# Altium PCB adc_brd_raton_v0.PcbDoc (part 2 of 5)
Units mm, origin at the board's own origin, x right, y up, seen from the top; angles counter-clockwise.
Board outline 276.61 x 128.4 mm, 2 copper layers (Top Layer, Bottom Layer); 535 components, 265 nets, 1345 pads, 548 vias.
Unrouted connection lines stored in the file: 67.
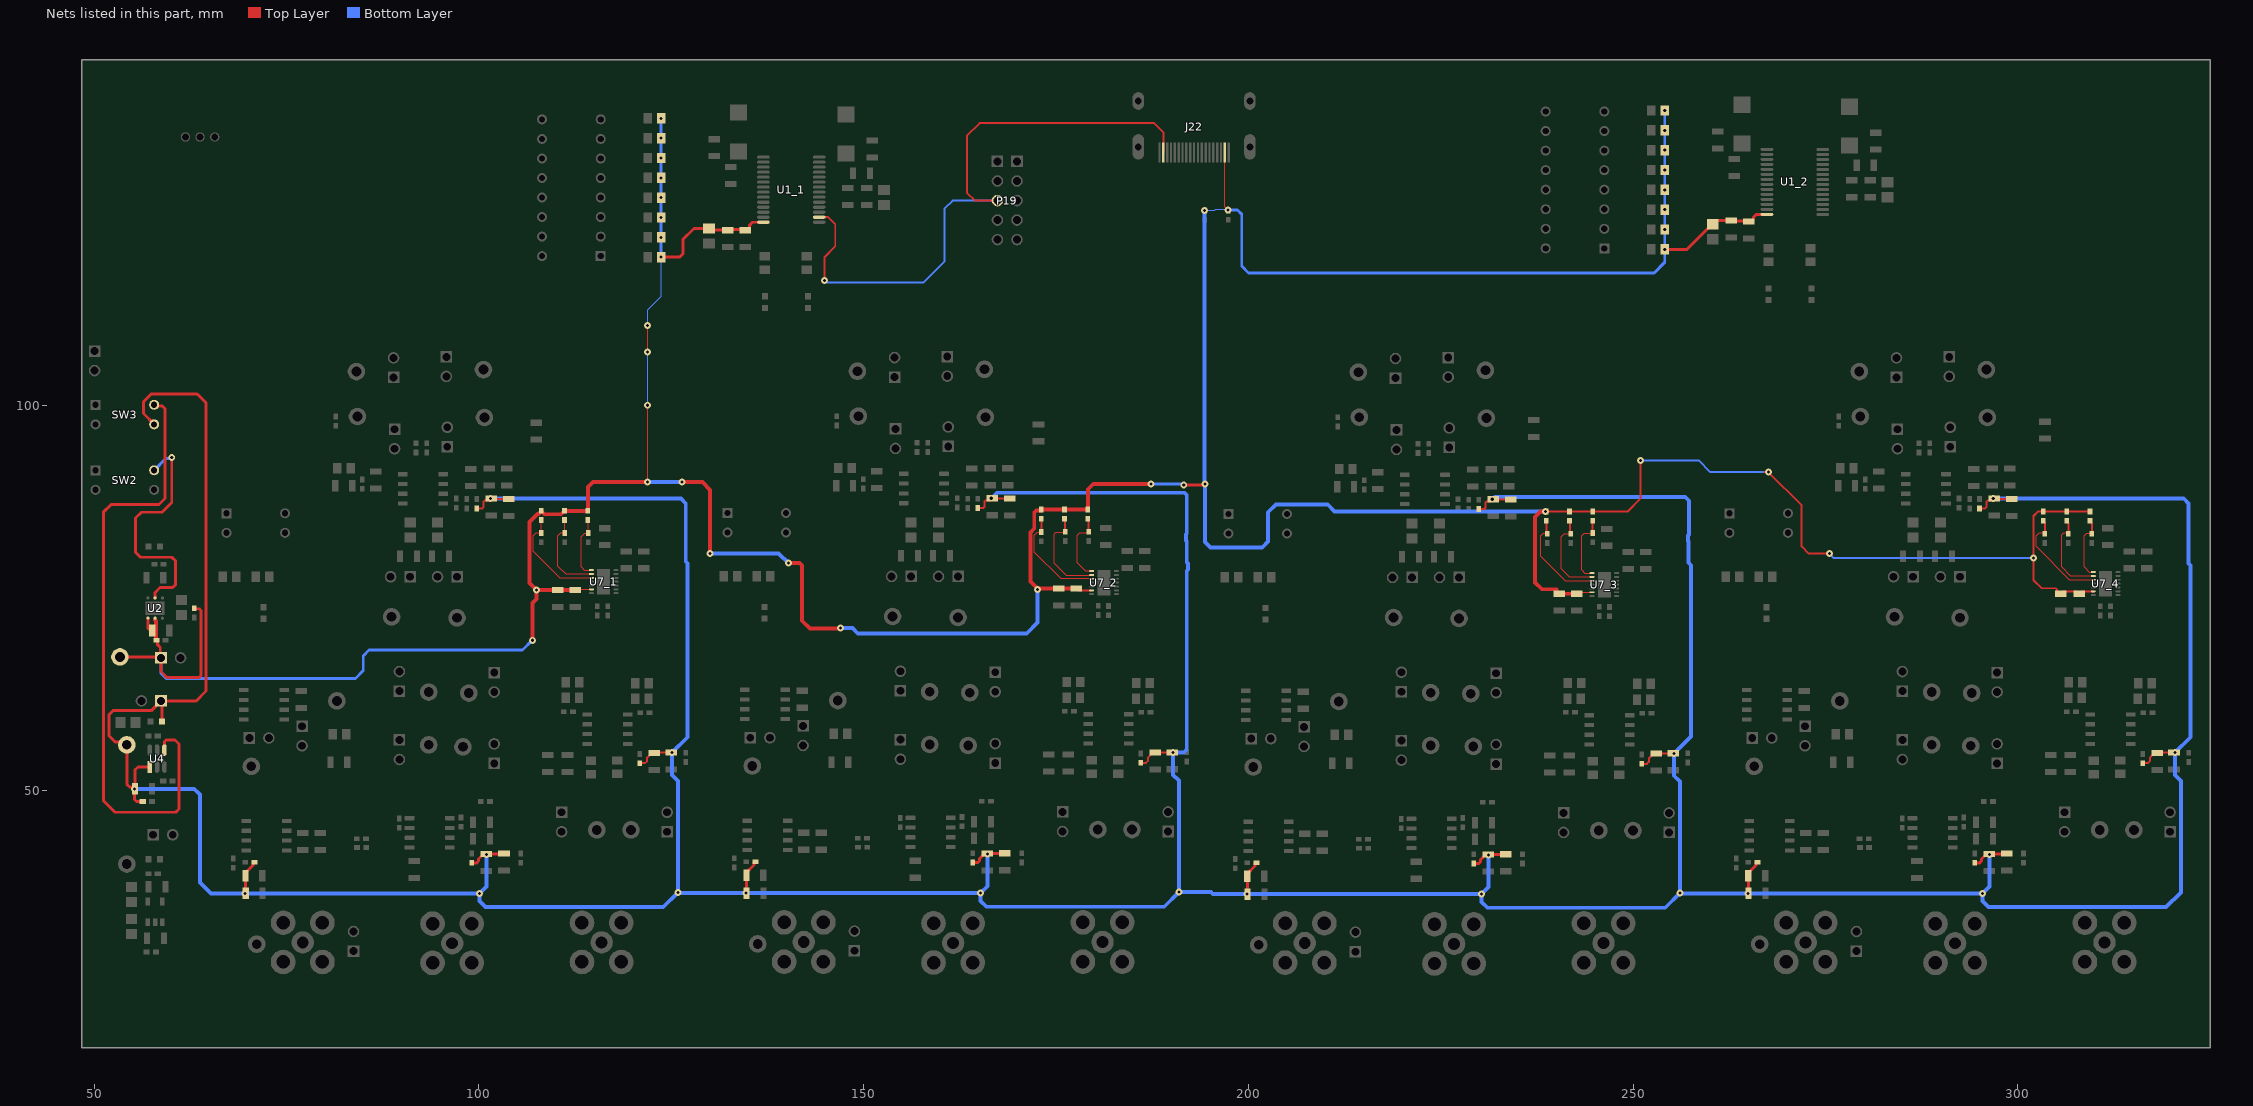
[diagram p2: the nets of this part, all layers, seen from the top]

## Components (designator, comment, footprint, x,y, rotation, side; value= is the part's Value field where it differs from the comment) (continued)
R37_1 "RES 7.5k 0402 63mW 5%" 0402-M#2 97.028,87.284 r270 top value=7.5k (schematic designator R37)
R37_2 "RES 7.5k 0402 63mW 5%" 0402-M#2 162.137,87.327 r270 top value=7.5k (schematic designator R37)
R37_3 "RES 7.5k 0402 63mW 5%" 0402-M#2 227.245,87.2 r270 top value=7.5k (schematic designator R37)
R37_4 "RES 7.5k 0402 63mW 5%" 0402-M#2 292.354,87.284 r270 top value=7.5k (schematic designator R37)
R45 "RES 10k 0402 63mW 5%" 0402-M#2 303.299,85.598 r90 top value=10k
R46 "RES 10k 0402 63mW 5%" 0402-M#2 306.336,85.598 r90 top value=10k
R47 "RES 10k 0402 63mW 5%" 0402-M#2 309.372,85.598 r90 top value=10k
R48 "RES 10k 0402 63mW 5%" 0402-M#2 303.507,82.712 r90 top value=10k
R49 "RES 10k 0402 63mW 5%" 0402-M#2 306.566,82.712 r90 top value=10k
R50 "RES 10k 0402 63mW 5%" 0402-M#2 309.626,82.712 r90 top value=10k
R51 "RES 10k 0402 63mW 5%" 0402-M#2 238.691,85.598 r90 top value=10k
R52 "RES 10k 0402 63mW 5%" 0402-M#2 241.727,85.598 r90 top value=10k
R53 "RES 10k 0402 63mW 5%" 0402-M#2 244.764,85.598 r90 top value=10k
R54 "RES 10k 0402 63mW 5%" 0402-M#2 238.829,82.712 r90 top value=10k
R55 "RES 10k 0402 63mW 5%" 0402-M#2 241.889,82.712 r90 top value=10k
R56 "RES 10k 0402 63mW 5%" 0402-M#2 244.729,82.804 r90 top value=10k
R57 "RES 10k 0402 63mW 5%" 0402-M#2 173.066,85.852 r90 top value=10k
R58 "RES 10k 0402 63mW 5%" 0402-M#2 176.103,85.852 r90 top value=10k
R59 "RES 10k 0402 63mW 5%" 0402-M#2 179.139,85.852 r90 top value=10k
R60 "RES 10k 0402 63mW 5%" 0402-M#2 173.101,82.931 r90 top value=10k
R61 "RES 10k 0402 63mW 5%" 0402-M#2 176.195,82.966 r90 top value=10k
R62 "RES 10k 0402 63mW 5%" 0402-M#2 179.255,82.966 r90 top value=10k
R63 "RES 10k 0402 63mW 5%" 0402-M#2 108.077,85.69 r90 top value=10k
R64 "RES 10k 0402 63mW 5%" 0402-M#2 111.113,85.69 r90 top value=10k
R65 "RES 10k 0402 63mW 5%" 0402-M#2 114.15,85.69 r90 top value=10k
R66 "RES 10k 0402 63mW 5%" 0402-M#2 108.077,82.804 r90 top value=10k
R67 "RES 10k 0402 63mW 5%" 0402-M#2 111.137,82.804 r90 top value=10k
R68 "RES 10k 0402 63mW 5%" 0402-M#2 114.196,82.804 r90 top value=10k
R69_1 "RES 1k 0805 125mW 5%" 0805-M#2 71.882,77.724 r0 top value=1k (schematic designator R69)
R69_2 "RES 1k 0805 125mW 5%" 0805-M#2 136.991,77.767 r0 top value=1k (schematic designator R69)
R69_3 "RES 1k 0805 125mW 5%" 0805-M#2 202.099,77.64 r0 top value=1k (schematic designator R69)
R69_4 "RES 1k 0805 125mW 5%" 0805-M#2 267.208,77.724 r0 top value=1k (schematic designator R69)
R70_1 "RES 10k 0805 125mW 1%" 0805-M#2 67.564,77.724 r180 top value=10k (schematic designator R70)
R70_2 "RES 10k 0805 125mW 1%" 0805-M#2 132.673,77.767 r180 top value=10k (schematic designator R70)
R70_3 "RES 10k 0805 125mW 1%" 0805-M#2 197.781,77.64 r180 top value=10k (schematic designator R70)
R70_4 "RES 10k 0805 125mW 1%" 0805-M#2 262.89,77.724 r180 top value=10k (schematic designator R70)
R71_1 "RES 0 0402 63mW" 0402-M#2 99.695,87.214 r270 top value=0 (schematic designator R71)
R71_2 "RES 0 0402 63mW" 0402-M#2 164.804,87.257 r270 top value=0 (schematic designator R71)
R71_3 "RES 0 0402 63mW" 0402-M#2 229.912,87.13 r270 top value=0 (schematic designator R71)
R71_4 "RES 0 0402 63mW" 0402-M#2 295.021,87.214 r270 top value=0 (schematic designator R71)
R72_1 "RES 0 0402 63mW" 0402-M#2 98.425,87.214 r90 top value=0 (schematic designator R72)
R72_2 "RES 0 0402 63mW" 0402-M#2 163.534,87.257 r90 top value=0 (schematic designator R72)
R72_3 "RES 0 0402 63mW" 0402-M#2 228.642,87.13 r90 top value=0 (schematic designator R72)
R72_4 "RES 0 0402 63mW" 0402-M#2 293.751,87.214 r90 top value=0 (schematic designator R72)
R73_1 "RES 0 0402 63mW" 0402-M#2 100.838,48.514 r180 top value=0 (schematic designator R73)
R73_2 "RES 0 0402 63mW" 0402-M#2 165.947,48.557 r180 top value=0 (schematic designator R73)
R73_3 "RES 0 0402 63mW" 0402-M#2 231.055,48.43 r180 top value=0 (schematic designator R73)
R73_4 "RES 0 0402 63mW" 0402-M#2 296.164,48.514 r180 top value=0 (schematic designator R73)
R74_1 "RES 0 0402 63mW" 0402-M#2 120.904,54.102 r90 top value=0 (schematic designator R74)
R74_2 "RES 0 0402 63mW" 0402-M#2 186.013,54.145 r90 top value=0 (schematic designator R74)
R74_3 "RES 0 0402 63mW" 0402-M#2 251.121,54.018 r90 top value=0 (schematic designator R74)
R74_4 "RES 0 0402 63mW" 0402-M#2 316.23,54.102 r90 top value=0 (schematic designator R74)
R75_1 "RES 0 0402 63mW" 0402-M#2 126.873,54.264 r270 top value=0 (schematic designator R75)
R75_2 "RES 0 0402 63mW" 0402-M#2 191.982,54.307 r270 top value=0 (schematic designator R75)
R75_3 "RES 0 0402 63mW" 0402-M#2 257.09,54.18 r270 top value=0 (schematic designator R75)
R75_4 "RES 0 0402 63mW" 0402-M#2 322.199,54.264 r270 top value=0 (schematic designator R75)
R76_1 "RES 0 0402 63mW" 0402-M#2 70.231,40.64 r180 top value=0 (schematic designator R76)
R76_2 "RES 0 0402 63mW" 0402-M#2 135.34,40.683 r180 top value=0 (schematic designator R76)
R76_3 "RES 0 0402 63mW" 0402-M#2 200.448,40.556 r180 top value=0 (schematic designator R76)
R76_4 "RES 0 0402 63mW" 0402-M#2 265.557,40.64 r180 top value=0 (schematic designator R76)
R77_1 "RES 0 0402 63mW" 0402-M#2 99.06,41.148 r270 top value=0 (schematic designator R77)
R77_2 "RES 0 0402 63mW" 0402-M#2 164.169,41.191 r270 top value=0 (schematic designator R77)
R77_3 "RES 0 0402 63mW" 0402-M#2 229.277,41.064 r270 top value=0 (schematic designator R77)
R77_4 "RES 0 0402 63mW" 0402-M#2 294.386,41.148 r270 top value=0 (schematic designator R77)
R78_1 "RES 0 0402 63mW" 0402-M#2 68.072,40.513 r270 top value=0 (schematic designator R78)
R78_2 "RES 0 0402 63mW" 0402-M#2 133.181,40.556 r270 top value=0 (schematic designator R78)
R78_3 "RES 0 0402 63mW" 0402-M#2 198.289,40.429 r270 top value=0 (schematic designator R78)
R78_4 "RES 0 0402 63mW" 0402-M#2 263.398,40.513 r270 top value=0 (schematic designator R78)
R79_1 "RES 0 0402 63mW" 0402-M#2 105.41,41.148 r90 top value=0 (schematic designator R79)
R79_2 "RES 0 0402 63mW" 0402-M#2 170.519,41.191 r90 top value=0 (schematic designator R79)
R79_3 "RES 0 0402 63mW" 0402-M#2 235.627,41.064 r90 top value=0 (schematic designator R79)
R79_4 "RES 0 0402 63mW" 0402-M#2 300.736,41.148 r90 top value=0 (schematic designator R79)
R80 "RES 100 0805 125mW 1%" 0805-L#2 54.356,58.801 r0 top value=100
R81 "RES 10k 0402 63mW 5%" 0402-M#2 194.31,124.714 r90 top value=10k
R82 "RES 10k 0402 63mW 5%" 0402-M#2 197.358,124.714 r90 top value=10k
SW1_1 "210-8MS" 210-8MS 115.824,119.392 r180 top (schematic designator SW1)
SW1_2 "210-8MS" 210-8MS 246.253,120.408 r180 top (schematic designator SW1)
SW2 "210-2MS" 210-2MS-Footprint-1 50.165,91.567 r0 top
SW3 "210-2MS" 210-2MS-Footprint-1 50.165,100.076 r0 top
SW4_1 "210-2MS" 210-2MS-Footprint-1 67.183,85.979 r0 top (schematic designator SW4)
SW4_2 "210-2MS" 210-2MS-Footprint-1 132.292,86.022 r0 top (schematic designator SW4)
SW4_3 "210-2MS" 210-2MS-Footprint-1 197.4,85.895 r0 top (schematic designator SW4)
SW4_4 "210-2MS" 210-2MS-Footprint-1 262.509,85.979 r0 top (schematic designator SW4)
U1_1 "PCM4202DBT" SOP65P780X200-28N 140.589,128.028 r0 top (schematic designator U1)
U1_2 "PCM4202DBT" SOP65P780X200-28N 271.018,129.044 r0 top (schematic designator U1)
U2 "LD39200PU33R" FP-DFN6-7946637-MFG 57.912,73.66 r90 top
U3 "MIC5225-5.0YM5-TR" SOT95P280X145-5N 57.912,34.163 r90 top
U4 "LM2776DBVR" FP-DBV0006A-IPC_B 58.166,54.102 r90 top
U5_1 "OPA227UA/2K5" D0008A_L 72.06,61.087 r0 top (schematic designator U5)
U5_2 "OPA227UA/2K5" D0008A_L 137.169,61.13 r0 top (schematic designator U5)
U5_3 "OPA227UA/2K5" D0008A_L 202.277,61.003 r0 top (schematic designator U5)
U5_4 "OPA227UA/2K5" D0008A_L 267.386,61.087 r0 top (schematic designator U5)
U6_1 "OPA227UA/2K5" D0008A_L 72.39,44.069 r0 top (schematic designator U6)
U6_2 "OPA227UA/2K5" D0008A_L 137.499,44.112 r0 top (schematic designator U6)
U6_3 "OPA227UA/2K5" D0008A_L 202.607,43.985 r0 top (schematic designator U6)
U6_4 "OPA227UA/2K5" D0008A_L 267.716,44.069 r0 top (schematic designator U6)
U7_1 "DS4420N+" QFN50P400X300X75_HS-15N 116.205,77.089 r270 top (schematic designator U7)
U7_2 "DS4420N+" QFN50P400X300X75_HS-15N 181.229,76.962 r270 top (schematic designator U7)
U7_3 "DS4420N+" QFN50P400X300X75_HS-15N 246.253,76.708 r270 top (schematic designator U7)
U7_4 "DS4420N+" QFN50P400X300X75_HS-15N 311.404,76.835 r270 top (schematic designator U7)
U8_1 "OPA1632DR" D0008A_L 93.599,44.45 r0 top (schematic designator U8)
U8_2 "OPA1632DR" D0008A_L 158.708,44.493 r0 top (schematic designator U8)
U8_3 "OPA1632DR" D0008A_L 223.816,44.366 r0 top (schematic designator U8)
U8_4 "OPA1632DR" D0008A_L 288.925,44.45 r0 top (schematic designator U8)
U9_1 "OPA1632DR" D0008A_L 116.713,57.912 r0 top (schematic designator U9)
U9_2 "OPA1632DR" D0008A_L 181.822,57.955 r0 top (schematic designator U9)
U9_3 "OPA1632DR" D0008A_L 246.93,57.828 r0 top (schematic designator U9)
U9_4 "OPA1632DR" D0008A_L 312.039,57.912 r0 top (schematic designator U9)
U10_1 "OPA1632DR" D0008A_L 92.71,89.154 r0 top (schematic designator U10)
U10_2 "OPA1632DR" D0008A_L 157.819,89.197 r0 top (schematic designator U10)
U10_3 "OPA1632DR" D0008A_L 222.927,89.07 r0 top (schematic designator U10)
U10_4 "OPA1632DR" D0008A_L 288.036,89.154 r0 top (schematic designator U10)

## Footprints (in the part's own frame and the unit in brackets; to place one, negate y for a bottom-side part, rotate by r counter-clockwise, add the part's x,y. Pads: shape width x height; smd on the part's side, far side on the other; paste and mask are expansions set on the pad)
"1 Pin Debug Port 0.9mm" [mm] "Male Header, Pitch 2.54mm, 1x1 Position, Mated Height 6mm, Tail Length 3mm"
  round 1.2 hole 0.9: 1(0,0)
151-203-RC-Footprint-1 [mil]
  round 90 hole 50 mask+10: 1(0,0)
  silkscreen extent -61,-61 61,61, body extent -45,-45 45,45, height 197
210-2MS-Footprint-1 [mm]
  rect 1.3x1.3 hole 0.8: 1(0,0)
  round 1.3 hole 0.8: 2(0,-2.54) 3(7.62,-2.54) 4(7.62,0)
  silkscreen extent 1.48,-3.94 6.14,1.27, body extent -0.47,-4.57 8.09,1.99, height 4.97
210-8MS [mm]
  rect 1.3x1.3 hole 0.8: 1(0,0)
  round 1.3 hole 0.8: 2(0,-2.54) 3(0,-5.08) 4(0,-7.62) 5(0,-10.16) 6(0,-12.7) 7(0,-15.24) 8(0,-17.78) 9(7.62,-17.78) 10(7.62,-15.24) 11(7.62,-12.7) 12(7.62,-10.16) 13(7.62,-7.62) 14(7.62,-5.08) 15(7.62,-2.54) 16(7.62,0)
  silkscreen extent 1.48,-19.05 6.14,1.27, body extent -0.51,-19.92 8.04,1.88, height 5.52
0402-M#1 [mm] "Chip Capacitor, 2-Leads, Body 1.0x0.5mm, IPC Medium Density"
  rect 0.8x0.6 smd: 1(-0.6,0) 2(0.6,0)
  silkscreen extent -1.17,-0.48 1.17,0.47, body extent -0.5,-0.25 0.5,0.25, height 0.5
0402-M#2 [mm] "Chip Resistor, 2-Leads, Body 1.00x0.50mm, IPC Medium Density"
  rect 0.75x0.6 smd: 1(-0.6,0) 2(0.6,0)
  silkscreen extent -1.15,-0.48 1.15,0.48, body extent -0.52,-0.28 0.53,0.27, height 0.36
"0603 Generic" [mm]
  rect 0.8x0.8 smd: 1(-0.75,0) 2(0.75,0)
  silkscreen extent -1.77,-0.81 0.82,0.8, body extent -1.25,-0.5 1.25,0.5, height 0.6
0805-L#1 [mm] "Chip Capacitor, 2-Leads, Body 2.00x1.25mm, IPC Low Density"
  rect 1.35x1.55 smd: 1(-0.975,0) 2(0.975,0)
  silkscreen extent -1.85,-0.95 1.85,0.97, body extent -1,-0.62 1,0.63, height 0.78
0805-L#2 [mm] "Chip Resistor, 2-Leads, Body 2.0x1.3mm, IPC Low Density"
  rect 1.3x1.45 smd: 1(-0.975,0) 2(0.975,0)
  silkscreen extent -1.83,-0.9 1.83,0.9, body extent -1.07,-0.67 1.07,0.67, height 0.42
0805-M#1 [mm] "Chip Capacitor, 2-Leads, Body 2.0x1.3mm, IPC Medium Density"
  rect 0.8x1.5 smd: 1(-1.1,0) 2(1.1,0)
  silkscreen extent -1.73,-0.97 1.73,0.98, body extent -1,-0.62 1,0.63, height 0.78
0805-M#2 [mm] "Chip Resistor, 2-Leads, Body 2.0x1.3mm, IPC Medium Density"
  rect 1.1x1.35 smd: 1(-0.875,0) 2(0.875,0)
  silkscreen extent -1.63,-0.87 1.63,0.87, body extent -1.07,-0.67 1.07,0.67, height 0.42
2086581051 [mm]
  rect 0.3x2.6 smd mask+0.05: 1(4.5,-1.3) 2(4,-1.3) 3(3.5,-1.3) 4(3,-1.3) 5(2.5,-1.3) 6(2,-1.3) 7(1.5,-1.3) 8(1,-1.3) 9(0.5,-1.3) 10(0,-1.3) 11(-0.5,-1.3) 12(-1,-1.3) 13(-1.5,-1.3) 14(-2,-1.3) 15(-2.5,-1.3) 16(-3,-1.3) 17(-3.5,-1.3) 18(-4,-1.3) 19(-4.5,-1.3)
  oval 1.5x3.3 hole 0.9 slot 2.7 at 90 deg: ""(-7.25,-2.06) ""(7.25,-2.06)
  oval 1.5x2.3 hole 0.9 slot 1.7 at 90 deg: ""(-7.25,-8.02) ""(7.25,-8.02)
  silkscreen extent -7.77,-11.6 7.72,0.05, body extent -7.5,-12.7 7.5,-0.55, height 6.21
CAPMP6032X26N [mm] "Molded Capacitor, 2-Leads, Body 6.00x3.20mm, IPC Medium Density"
  rect 2.1x2.25 smd: 1(-2.525,0) 2(2.525,0)
  silkscreen extent -3.77,-1.6 3,1.87, body extent -3.22,-1.6 3.22,1.6, height 2.6
D0008A_L [mm] "SOIC, 8-Leads, Body 5x4mm, Pitch 1.27mm, IPC High Density"
  rrect18% 1.25x0.55 smd: 1(-2.625,1.905) 2(-2.625,0.635) 3(-2.625,-0.635) 4(-2.625,-1.905) 5(2.625,-1.905) 6(2.625,-0.635) 7(2.625,0.635) 8(2.625,1.905)
  silkscreen extent -2.75,-2.5 1.6,2.85, body extent -3,-2.45 3,2.45, height 1.63
FP-DBV0006A-IPC_B [mm]
  rect 1.505x0.57 smd paste+0 mask+0: 1(-1.1,0.95)
  rrect100% 1.505x0.57 smd paste+0 mask+0: 2(-1.1,0) 3(-1.1,-0.95) 4(1.1,-0.95) 5(1.1,0) 6(1.1,0.95)
  silkscreen extent -2.53,-1.7 1.4,1.7, body extent -2.1,-1.7 2.1,1.7, height 0.25
FP-DFN6-7946637-MFG [mm]
  round 0.405 smd paste+0 mask+0: 1(-1.3,0.95) 2(-1.321,0) 3(-1.321,-0.95) 4(1.3,-0.95) 5(1.321,0) 6(1.321,0.95)
  rect 1.75x2.5 smd paste+0 mask+0: 7(0,0)
  Top Layer region: 2.032,0.725 1.275,0.725 1.189,0.742 1.116,0.791 1.067,0.864 1.05,0.95 1.05,0.95 1.067,1.036 1.116,1.109 1.189,1.158 1.275,1.175 1.275,1.175 2.032,1.175
  Top Layer region: 2.032,-0.225 1.275,-0.225 1.189,-0.208 1.116,-0.159 1.067,-0.086 1.05,0 1.05,0 1.067,0.086 1.116,0.159 1.189,0.208 1.275,0.225 1.275,0.225 2.032,0.225
  Top Layer region: 2.032,-1.175 1.275,-1.175 1.163,-1.145 1.08,-1.062 1.05,-0.95 1.05,-0.95 1.067,-0.864 1.116,-0.791 1.189,-0.742 1.275,-0.725 1.275,-0.725 2.032,-0.725
  Top Layer region: -2.159,-0.725 -1.275,-0.725 -1.189,-0.742 -1.116,-0.791 -1.067,-0.864 -1.05,-0.95 -1.05,-0.95 -1.067,-1.036 -1.116,-1.109 -1.189,-1.158 -1.275,-1.175 -1.275,-1.175 -2.159,-1.175
  Top Layer region: -2.159,0.225 -1.275,0.225 -1.189,0.208 -1.116,0.159 -1.067,0.086 -1.05,0 -1.05,0 -1.067,-0.086 -1.116,-0.159 -1.189,-0.208 -1.275,-0.225 -1.275,-0.225 -2.159,-0.225
  Top Layer region: -2.159,1.175 -1.275,1.175 -1.163,1.145 -1.08,1.062 -1.05,0.95 -1.05,0.95 -1.067,0.864 -1.116,0.791 -1.189,0.742 -1.275,0.725 -1.275,0.725 -2.159,0.725
  silkscreen extent -2.28,-1.75 1.55,1.75, body extent -1.65,-1.65 1.65,1.65, height 0.25
"GENERIC 2PIN HEADER 0" [mm] "Male Header, Pitch 2.54mm, 2x1 Position, Mated Height 6mm, Tail Length 3mm"
  rect 1.5x1.5 hole 1.02: 1(0,0)
  round 1.5 hole 1.02: 2(0,-2.54)
  silkscreen extent -1.27,-3.81 1.27,1.27, body extent -1.27,-3.81 1.27,1.27, height 8.4
"GENERIC 5PIN 2ROW HEADER 0" [mm] "Male Header, Pitch 2.54mm, 5x2 Position, Mated Height 6mm, Tail Length 3mm"
  rect 1.5x1.5 hole 1.02: 1(0,0) 2(2.54,0)
  round 1.5 hole 1.02: 3(0,-2.54) 4(2.54,-2.54) 5(0,-5.08) 6(2.54,-5.08) 7(0,-7.62) 8(2.54,-7.62) 9(0,-10.16) 10(2.54,-10.16)
  silkscreen extent -1.27,-11.43 3.81,1.27, body extent -1.27,-11.43 3.81,1.27, height 9.5
QFN50P400X300X75_HS-15N [mm] "QFN, 14-Leads, Body 4.00x3.00mm, Pitch 0.50mm, Thermal Pad 3.30x1.70mm, IPC Medium Density"
  oval 0.25x0.65 smd: 1(-1.5,-1.6) 2(-1,-1.6) 3(-0.5,-1.6) 4(0,-1.6) 5(0.5,-1.6) 6(1,-1.6) 7(1.5,-1.6) 8(1.5,1.6) 9(1,1.6) 10(0.5,1.6) 11(0,1.6) 12(-0.5,1.6) 13(-1,1.6) 14(-1.5,1.6)
  rect 3.3x1.7 smd: 15(0,0)
  silkscreen extent -3.05,-2.03 2.2,1.7, body extent -2.05,-1.6 2.05,1.6, height 0.75
"SMA CONNECTOR-Footprint-1" [mm]
  round 3.2 hole 1.75: 1(-2.553,-2.553) 1(-2.553,2.553) 1(2.553,-2.553) 1(2.553,2.553)
  round 2.9 hole 1.55: 2(0,0)
  body extent -3.36,-3.26 3.14,3.24, height 10.6
SOP65P780X200-28N [mm] "SOP, 28-Leads, Body 10.20x5.30mm, Pitch 0.65mm, IPC Medium Density"
  oval 1.65x0.4 smd: 1(-3.625,4.225) 2(-3.625,3.575) 3(-3.625,2.925) 4(-3.625,2.275) 5(-3.625,1.625) 6(-3.625,0.975) 7(-3.625,0.325) 8(-3.625,-0.325) 9(-3.625,-0.975) 10(-3.625,-1.625) 11(-3.625,-2.275) 12(-3.625,-2.925) 13(-3.625,-3.575) 14(-3.625,-4.225) 15(3.625,-4.225) 16(3.625,-3.575) 17(3.625,-2.925) 18(3.625,-2.275) 19(3.625,-1.625) 20(3.625,-0.975) 21(3.625,-0.325) 22(3.625,0.325) 23(3.625,0.975) 24(3.625,1.625) 25(3.625,2.275) 26(3.625,2.925) 27(3.625,3.575) 28(3.625,4.225)
  silkscreen extent -3.75,-5.25 2.4,5.25, body extent -3.9,-5.25 3.9,5.25, height 2
SOT95P280X145-5N [mm] "SOT23, 5-Leads, Body 2.90x2.80mm, Pitch 0.95mm, IPC Medium Density"
  rect 1x0.6 smd: 1(-1.35,0.95) 2(-1.35,0) 3(-1.35,-0.95) 4(1.35,-0.95) 5(1.35,0.95)
  silkscreen extent -1.47,-1.5 0.45,1.92, body extent -1.5,-1.5 1.5,1.5, height 1.45

## Part data
C1_1 C1_2 C2_1 C2_2: library part CMP-001-00003-2, "CAP-33uF-TANT-C", Case/Package=C, Manufacturer=AVX, Supplier Part Number=581-TAJC336K016RNJV, ComponentLink1Description="Cap 33uF TANT C", ComponentLink1URL=https://eu.mouser.com/ProductDetail/AVX/TAJC336K016RNJV?qs=YCa%2FAAYMW0021Wdor8g%2FvQ%3D%3D, Supplier 1=Mouser, Type=SMD
C3_1 C3_2 C4_1 C4_2 C5_1 C5_2 C6_1 C6_2 C7_1 C7_2 C10_1 C10_2 C25_1 C25_2 C25_3 C25_4 C26_1 C26_2 C26_3 C26_4 C27_1 C27_2 C27_3 C27_4 C28_1 C28_2 C28_3 C28_4 C31_1 C31_2 C31_3 C31_4 C32_1 C32_2 C32_3 C32_4 C36_1 C36_2 C36_3 C36_4 C38_1 C38_2 C38_3 C38_4 C39_1 C39_2 C39_3 C39_4 C43_1 C43_2 C43_3 C43_4 C44_1 C44_2 C44_3 C44_4 C45_1 C45_2 C45_3 C45_4 C46_1 C46_2 C46_3 C46_4 C56_1 C56_2 C56_3 C56_4 C57_1 C57_2 C57_3 C57_4 C58_1 C58_2 C58_3 C58_4 C60_1 C60_2 C60_3 C60_4 C62_1 C62_2 C62_3 C62_4: library part "CAP 0.1uF CER 0805 50V  X7R 5%-2", "CAP-0.1uF-CER-0805-50V- X7R-5%", Case/Package=0805, Manufacturer=Generic, Supplier Part Number 1=80-C0805C104J3R, Bin=F1-C6-4, Datasheet=http://www.kemet.com/Lists/ProductCatalog/Attachments/53/KEM_C1002_X7R_SMD.pdf, Design Item ID="CAP 0.1uF CER 0805 50V  X7R 5%", Source="Capacitor Library.SchLib", Status=Active, Supplier 1=Mouser, Type=SMD
C8_1 C8_2 C11_1 C11_2: library part "CAP 1uF CER 0805 50V X7R 10%-2", "CAP-1uF-CER-0805-50V-X7R-10%", Case/Package=0805, Manufacturer=Generic, Supplier Part Number 1=963-UMK212B7105KG-T, Bin=F1-C1-05, Design Item ID="CAP 1uF CER 0805 50V X7R 10%", Source="Capacitor Library.SchLib", Status=Active, Supplier 1=Mouser, Type=SMD
C9_1 C9_2 C12_1 C12_2: library part "CAP 10nF CER 0805 50V X7R 10%-2", "CAP-10nF-CER-0805-50V-X7R-10%", Case/Package=0805, Manufacturer=Generic, Supplier Part Number 1=81-GRM40X103K50D, Bin=F1-C8-4, Design Item ID="CAP 10nF CER 0805 50V X7R 10%", Source="Capacitor Library.SchLib", Supplier 1=Mouser, Type=SMD
C13 C15: library part "CAP 10uF CER 0402 6.3V X5R 20%-2", "CAP-10uF-CER-0402-6.3V-X5R-20%", Case/Package=0402, Manufacturer=Generic, Supplier Part Number 1=80-C0402C106M9P, Bin=F1-C2-10, Design Item ID="CAP 10uF CER 0402 6.3V X5R 20%", Source="Capacitor Library.SchLib", Supplier 1=Mouser, Type=SMD
C14 C16 C18 C20 C23: library part "CAP 0.1uF CER 0805 50V X7R 10%-2", "CAP-0.1uF-CER-0805-50V-X7R-10%", Case/Package=0805, Manufacturer=Generic, Supplier Part Number 1=80-C0805C104K5R, Bin=8-CAP, Datasheet=http://www.kemet.com/Lists/ProductCatalog/Attachments/53/KEM_C1002_X7R_SMD.pdf, Design Item ID="CAP 0.1uF CER 0805 50V X7R 10%", Source="Capacitor Library.SchLib", Status=Active, Supplier 1=Mouser, Type=SMD
C17 C19 C21 C22: library part "CAP 2.2uF CER 0402 25V X5R 10%-2", "CAP-2.2uF-CER-0402-25V-X5R-10%", Case/Package=0402, Manufacturer=Generic, Supplier Part Number 1=810-C1005X5R1E225K, Bin=F1-C1-9, Design Item ID="CAP 2.2uF CER 0402 25V X5R 10%", Source="Capacitor Library.SchLib", Status=Active, Supplier 1=Mouser, Type=SMD
C24: library part "CAP 1uF CER 0402 25V X5R 20%-2", "CAP-1uF-CER-0402-25V-X5R-20%", Case/Package=0402, Manufacturer=Generic, Supplier Part Number 1=963-TMK105CC6105MV-F, Bin=5-FMC-CAP, Design Item ID="CAP 1uF CER 0402 25V X5R 20%", Source="Capacitor Library.SchLib", Status=Active, Supplier 1=Mouser, Type=SMD
C29_1 C29_2 C29_3 C29_4 C30_1 C30_2 C30_3 C30_4 C33_1 C33_2 C33_3 C33_4 C34_1 C34_2 C34_3 C34_4 C35_1 C35_2 C35_3 C35_4 C37_1 C37_2 C37_3 C37_4 C40_1 C40_2 C40_3 C40_4 C42_1 C42_2 C42_3 C42_4 C59_1 C59_2 C59_3 C59_4 C61_1 C61_2 C61_3 C61_4: library part "CAP 10uF CER 0805 25V X5R 10%-2", "CAP-10uF-CER-0805-25V-X5R-10%", Case/Package=0805, Manufacturer=Generic, Supplier Part Number 1=80-C0805C106K8P, Bin=F1-C1-4, Design Item ID="CAP 10uF CER 0805 25V X5R 10%", Source="Capacitor Library.SchLib", Status=Active, Supplier 1=Mouser, Type=SMD
C41_1 C41_2 C41_3 C41_4 C47_1 C47_2 C47_3 C47_4: library part "CAP 1nF CER 0805 25V X7R 5%-2", Case/Package=0805, Manufacturer=Generic, Supplier Part Number 1=77-VJ0805Y102JXXPBC, Bin=N, Datasheet=http://www.mouser.com/ds/2/212/KEM_C1002_X7R_SMD-357932.pdf, Design Item ID="CAP 1nF CER 0805 25V X7R 5%", Source="Capacitor Library.SchLib", Status=Active, Supplier 1=Mouser, Type=SMD